# Altium PCB 202101904XB(公开).PcbDoc (part 2 of 6) (continued)
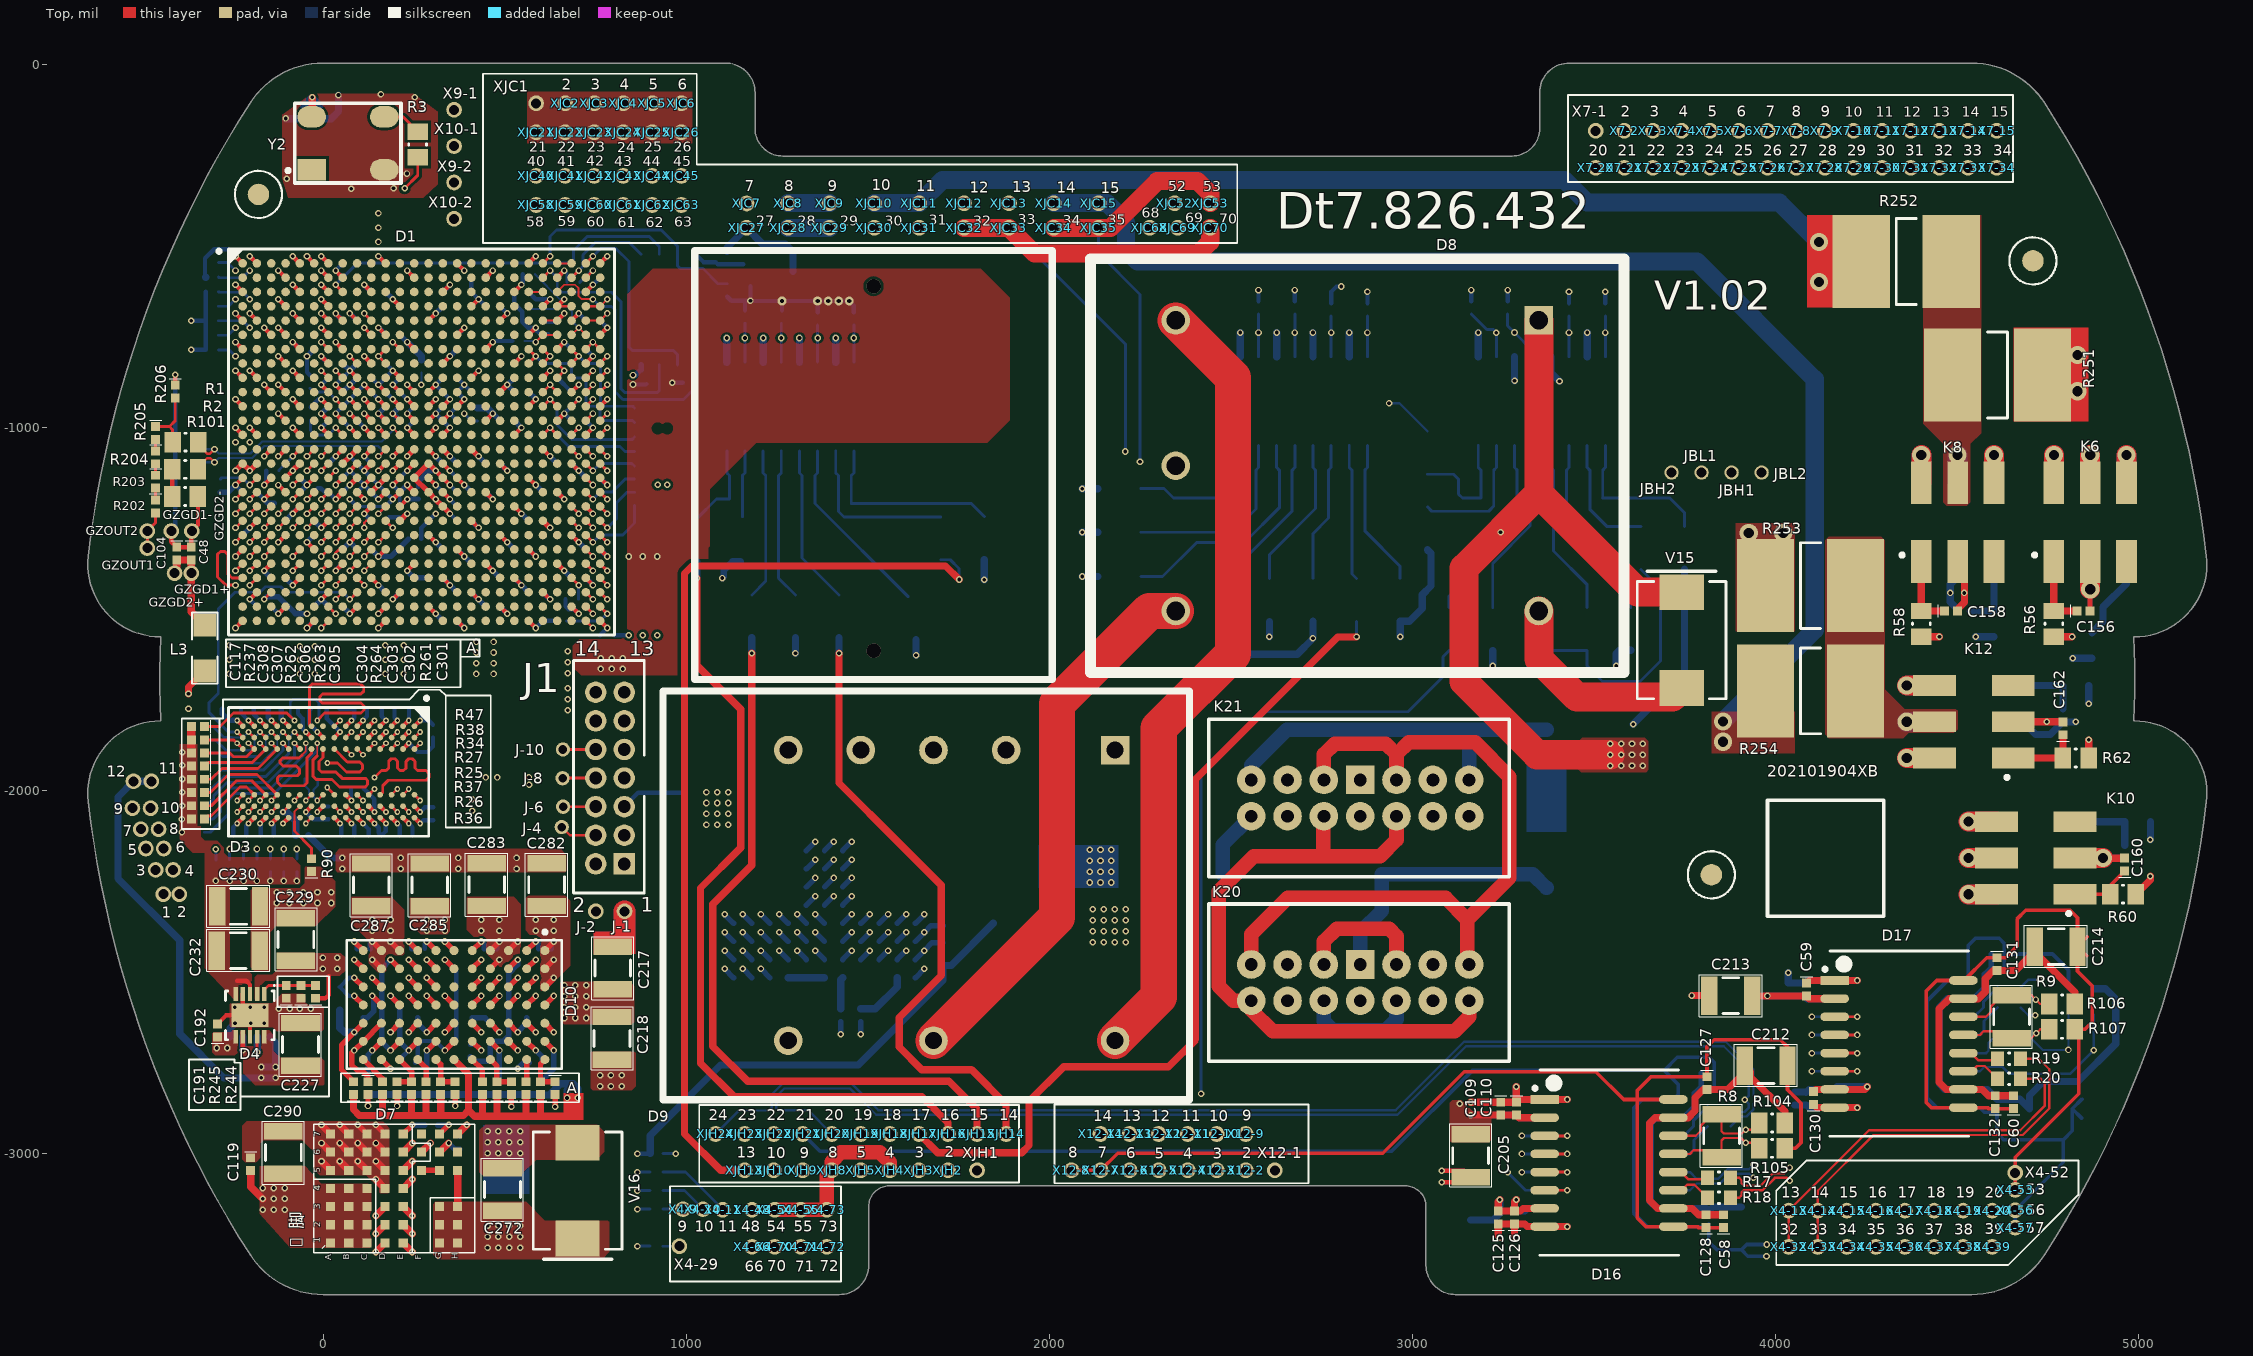
[diagram p0: Top view]
## Part data
C1 C2 C3 C4 C5 C6 C7 C8 C9 C10 C11 C12 C13 C14 C15 C16 C17 C18 C19 C20 C21 C22 C23 C24 C25 C26 C27 C28 C29 C30 C31 C32 C33 C34 C35 C36 C37 C38 C39 C40 C41 C42 C43 C44 C45 C46 C47 C48 C49 C50 C51 C52 C53 C54 C55 C56 C57 C58 C59 C60 C65 C66 C67 C68 C69: library part "HJ CT41G-0402-X7R-25V-103-KNT"
C70 C71 C72 C73 C74 C75 C76 C77 C78 C79 C80 C81 C82 C83 C84 C85 C86 C87 C88 C89 C90 C91 C92 C93 C94 C95 C96 C97 C98 C99 C100 C101 C102 C103 C104 C105 C106 C107 C108 C109 C110 C111 C112 C113 C114 C115 C116 C117 C118 C119 C120 C121 C122 C123 C125 C126 C127 C128 C129 C130 C131 C132 C141 C142 C143 C144 C145 C146 C147 C148 C155 C156 C157 C158 C159 C160 C161 C162 C167 C168 C169 C170 C171 C172 C173 C174 C175 C176 C177 C178 C179 C180 C181 C182 C183 C184 C185 C186 C187 C188 C189 C190 C191 C192 C193: library part "HJ CT41G-0402-X7R-25V-104-KNT"
C201 C202 C203 C204 C205 C206 C207 C208 C211 C212 C213 C214 C217 C218 C219 C220 C221 C222 C223 C224 C225 C226 C227 C228 C229 C230 C231 C232: library part "HJ CT41G-1210-X7R-25V-106-MNT"
C271 C272 C273: library part CT41G-1210-X7R-50V-10uF-M
C281 C282 C283 C284 C285 C286 C287 C288 C289 C290: library part CT41G-1210-X5R-10V-100uF-M
C301 C302 C303 C304 C305 C306 C307 C308 C309: library part "HJ CT41G-0402-X7R-25V-102-KNT"
C401 C402 C403: library part "HJ CT41G-0603-X7R-50V-104-KNT"
D1: "Kintex-7"
D2 D4: library part S
D3: library part SM
D14 D15 D16 D17: "Isolated 485/422 T"
J1: library part JTAG-14
L1 L2 L3: "PB3"
L7: "磁?"
R1 R2: library part RMK2012
R3: library part RMK2012-K-B-330-F
R5 R6: library part RMK3225-K-B-510-F
R7 R8 R9: library part RMK3225-K-B-131-F
R12 R13 R14 R15 R16 R17 R18 R19 R20: library part RMK1608-M-B-5R1-F
R25 R26 R27 R28 R29 R30 R31 R32 R33 R34 R35 R36 R37 R38 R39 R40 R41 R42 R43 R44 R45 R46 R47 R48 R50 R51 R52 R53 R54: library part RMK1005-E-B-2430-B, "7"
R55 R56 R57 R58 R59 R60 R61 R62: library part RMK2012-M-B-201-F
R78 R79 R80 R81 R82 R83 R84 R85 R86 R87 R88 R89 R90: library part RMK1005-K-B-2430-F
R101 R102 R103 R104 R105 R106 R107: library part RMK2012-K-B-821-F
R138 R139 R140 R141 R142 R261 R262 R267 R268: library part RMK1005
R146 R147 R148 R149 R150 R151 R152 R153 R154 R155 R156 R157: library part RMK1005-K-B-1961-F
R161 R162 R163 R164 R165 R166 R167 R168 R169 R170 R171 R172 R174 R175 R176 R177 R178 R179 R180 R181 R182 R183 R184 R185: library part RMK3225
R200 R201 R202 R203 R204 R205 R206 R208 R209 R210 R211 R212 R213 R214 R215 R216 R217 R218 R219 R220 R221 R222 R223 R224 R225: library part RMK1005-K-B-102-F
R227 R228 R229 R230 R231 R232 R233 R234 R235 R236 R237 R238 R239 R240 R241 R242 R243: library part RMK1005-K-B-472-F
R244 R245: library part RMK1005-K-B-103-F
R251 R252 R253 R254: library part RM6363
R263: library part RMK1005-K-B-3012-F
R264 R265 R266: library part RMK1005-K-B-1332-F
R269: library part RMK1005, "718厂,电阻"
Y2: library part ZPB-26(Z

## Free pads (board coordinates)
  round 59.06 smd mask+39.37: 1(-178,-359) 1(3822.58,-2232.5) 1(4708,-542)
  round 59.06 smd far side mask+39.37: 1(-178,-359) 1(3822.58,-2232.5) 1(4708,-542)

## Via types
v1: diameter 18, hole 10, Top to Bottom, tented both sides, 880 vias
v2: diameter 16, hole 8, Top to Bottom, tented both sides, 91 vias
v3: diameter 50, hole 28, Top to Bottom, tented both sides, 22 vias
v4: diameter 24, hole 12, Top to Bottom, tented both sides, 5 vias
v5: diameter 40, hole 40, Top to Bottom, 2 vias

## Nets (pads, with @x,y where several pads share a name; then routed paths per layer and width w, separated by ;. In a path a pad name is that pad's centre, name@x,y a point inside that pad or via, vN(x,y) a via of type N, cw(c..) or ccw(c..) an arc to the next point about the centre after c; other vN are vias at no path point)
"1.0V GD": D10.C3 D10.K7 R234.2 | length 730.7
  Top w15: D10.K7@160.58,-2741.14 v1(185.58,-2766.14) ; D10.C3@510.58,-2541.14 v1(535.58,-2516.14)
  sig_03 w15: v1(535.58,-2766.14) 510.64,-2741.21 510.64,-2541.08 v1(535.58,-2516.14)
  sig_08 w15: v1(185.58,-2766.14) v1(535.58,-2766.14)
  Bottom w15: v1(535.58,-2766.14) 551.72,-2750 R234.2@568.21,-2750
"1.5V GD": D10.J2 D10.J6 R237.2 | length 553.3
  Top w15: v1@123.64,-2870 R237.2@123.64,-2837.72 ; v1(185.58,-2716.14) D10.J6@210.58,-2691.14 ; v1(185.58,-2466.14) D10.J2@210.58,-2491.14
  sig_03 w15: v1@123.64,-2871 123.64,-2778.08 v1(185.58,-2716.14)
  Bottom w15: v1(185.58,-2716.14) 161.64,-2692.2 161.64,-2490.08 v1(185.58,-2466.14)
  other v1: 123.64,-2869
"1.8V GD": D10.F2 D10.F6 R236.2 | length 488.1
  Top w15: v1(335.58,-2716.14) D10.F6@360.58,-2691.14 ; v1(335.58,-2466.14) D10.F2@360.58,-2491.14
  Bottom w12: R236.2@253.64,-2750 260.64,-2743 260.64,-2702 272.64,-2690 309.43,-2690 v1(335.58,-2716.14) 366.64,-2685.08 366.64,-2497.21 v1(335.58,-2466.14)
"3.3V GD": D10.C2 R235.2 | length 420.3
  Top w15: D10.C2@510.58,-2491.14 v1(535.58,-2466.14)
  Bottom w8: R235.2@400.15,-2738.42 R235.2@404.9,-2733.67
  Bottom w15: R235.2@404.9,-2733.67 417.22,-2746 450.64,-2746 459.64,-2737 459.64,-2706 474.64,-2691 495.64,-2691 510.64,-2676 510.64,-2505 535.58,-2480.07 v1(535.58,-2466.14)
+1.0V: C6.1 C7.1 C8.1 C9.1 C10.1 C11.1 C12.1 C13.1 C14.1 C15.1 C70.2 C71.2 C72.2 C73.2 C74.2 C75.2 C76.2 C77.2 C78.2 C79.2 C80.2 C121.2 C224.2 C281.2 C282.2 C301.2 D1.J9 D1.K8 D1.K10 D1.K12 D1.K14 D1.L9 D1.L13 D1.L15 D1.M8 D1.M14 D1.N9 D1.N13 D1.N15 D1.P14 D1.R13 D1.R15 D1.T12 D1.T14 D1.U13 D1.U15 D10.A1 D10.A2 D10.A3 | length 1998.2
  Top w12: v1(34.37,-962.4) D1.M8@54.05,-982.08 ; v1(34.37,-883.66) D1.K8@54.05,-903.34 ; v1(73.74,-1001.77) D1.N9@93.42,-1021.45 ; v1(73.74,-923.03) D1.L9@93.42,-942.71 ; v1(73.74,-844.29) D1.J9@93.42,-863.97 ; v1(113.11,-883.66) D1.K10@132.79,-903.34 ; v1(191.85,-1159.24) D1.T12@211.53,-1139.57 ; v1(191.85,-883.66) D1.K12@211.53,-903.34 ; v1(231.22,-1119.87) D1.R13@250.9,-1100.2 ; v1(231.22,-1001.77) D1.N13@250.9,-1021.45 ; v1(231.22,-923.03) D1.L13@250.9,-942.71 ; D1.T14@290.27,-1139.57 v1(309.95,-1159.24) ; D1.P14@290.27,-1060.83 v1(309.95,-1080.5) ; D1.M14@290.27,-982.08 v1(309.95,-962.4) ; D1.K14@290.27,-903.34 v1(309.95,-883.66) ; D1.U15@329.64,-1178.94 v1(349.32,-1198.61) ; D1.R15@329.64,-1100.2 v1(349.32,-1119.87) ; D1.N15@329.64,-1021.45 v1(349.32,-1001.77) ; D1.L15@329.64,-942.71 v1(349.32,-923.03)
  Top w15: v1(231.22,-1159.24) D1.U13@250.9,-1178.94 ; D10.A3@610.58,-2541.14 v1(635.58,-2516.14) ; D10.A2@610.58,-2491.14 v1(635.58,-2466.14) ; D10.A1@610.58,-2441.14 v1(635.58,-2416.14) ; v1(638.64,-2871) C301.2@638.64,-2837.72
  sig_03 w15: v1(635.58,-2516.14) 610.64,-2541.08 610.64,-2843 v1(638.64,-2871)
  Bottom w10: C15.1@211.54,-1218.3 C14.1@211.54,-1178.93
  Bottom w12: v1(34.37,-883.66) C75.2@54.05,-863.97 ; C75.2@54.05,-863.97 v1(73.74,-844.29) ; v1(73.74,-1001.77) v1(34.37,-962.4) C76.2@54.05,-942.71 v1(73.74,-923.03) ; C74.2@93.43,-942.71 v1(73.74,-923.03) ; v1(113.11,-883.66) C79.2@93.42,-903.35 v1(73.74,-923.03) ; C14.1@211.54,-1178.93 v1(191.85,-1159.24) v1(231.22,-1119.87) ; C77.2@211.53,-863.97 v1(191.85,-883.66) v1(231.22,-923.03) ; v1(231.22,-1001.77) C78.2@250.9,-982.08 ; v1(309.95,-1159.24) v1(349.32,-1198.61) C7.1@369.02,-1218.3 ; C72.2@329.65,-863.97 v1(309.95,-883.66) C13.1@329.64,-903.34 v1(349.32,-923.03) v1(309.95,-962.4) C70.2@329.65,-982.08 v1(349.32,-1001.77) ; v1(349.32,-1119.87) C8.1@369.03,-1139.56
  Bottom w15: C71.2@54.05,-824.6 v1(73.74,-844.29) C80.2@93.42,-824.61 ; C14.1@211.54,-1178.93 v1(231.22,-1159.24) ; v1(309.95,-1080.5) C10.1@329.64,-1100.19 ; C121.2@628.58,-2436.14 628.58,-2423.14 v1(635.58,-2416.14)
  other v1: 585.58,-2386.14 635.58,-2386.14 585.58,-2356.14 635.58,-2356.14 421.33,-1679.42 421.33,-1650.42 421.33,-1620.42 421.33,-1591.42
+1.5V: C2.1 C3.1 C4.1 C5.1 C16.1 C17.1 C18.1 C19.1 C20.1 C21.1 C65.2 C66.2 C67.2 C68.2 C170.2 C172.2 C173.2 C174.2 C175.2 C176.2 C177.2 C182.2 C183.2 C184.2 C185.2 C186.2 C187.2 C188.2 C189.2 C202.2 C225.2 C226.2 C228.1 C229.1 C287.2 C288.2 C307.1 D1.AA1 D1.AA11 D1.AB8 D1.AC5 D1.AD2 D1.AD12 D1.AE9 D1.AF6 D1.U3 D1.V10 D1.W7 D1.Y4 D3.A1 D3.A8 D3.B2 D3.C1 D3.C9 D3.D2 D3.D9 D3.E9 D3.F1 D3.G7 D3.H2 D3.H9 D3.K2 D3.K8 D3.N1 D3.N9 D3.R1 D3.R9 D4.2 D10.J1 D10.K1 D10.K2 R51.1 R52.1 R244.1 | length 2559.6
  Top w12: v1(-241.22,-1356.09) D1.AA1@-221.54,-1336.42 ; v2(-205.12,-2090.85) D3.R9@-189.37,-2075.11 ; v2(-205.12,-1807.41) D3.R1@-189.38,-1823.15 ; v1(-201.85,-1474.2) D1.AD2@-182.17,-1454.53 ; v1(-162.48,-1198.61) D1.U3@-142.8,-1178.94 ; v2(-142.12,-2090.85) D3.N9@-126.38,-2075.11 ; v2(-142.12,-1807.41) D3.N1@-126.38,-1823.15 ; v1(-123.11,-1316.72) D1.Y4@-103.43,-1297.05 ; v1(-83.74,-1434.83) D1.AC5@-64.06,-1415.16 ; v2(-47.64,-2059.36) D3.K8@-31.89,-2043.62 ; v2(-47.64,-1838.9) D3.K2@-31.89,-1854.64 ; v1(-44.37,-1552.94) D1.AF6@-24.69,-1533.27 ; R244.1@-21.34,-2572.4 6.35,-2572.4 15.33,-2563.42 15.33,-2511.42 ; v1(-5,-1277.35) D1.W7@14.68,-1257.68 ; D3.H9@31.1,-2075.11 v2(46.84,-2090.85) ; D3.H2@31.1,-1854.64 v2(46.84,-1838.9) ; v1(34.37,-1395.46) D1.AB8@54.05,-1375.79 ; D3.G7@62.6,-2012.12 v2(78.33,-2027.86) ; v1(73.74,-1513.57) D1.AE9@93.42,-1493.9 ; D3.F1@94.09,-1823.15 v2(109.83,-1807.41) ; v1(113.11,-1237.98) D1.V10@132.79,-1218.31 ; D3.E9@125.58,-2075.11 v2(141.32,-2090.85) ; v1(152.48,-1356.09) D1.AA11@172.16,-1336.42 ; D3.D9@157.09,-2075.11 v2(172.82,-2090.85) ; D3.D2@157.09,-1854.64 v2(172.82,-1838.9) ; D3.C9@188.58,-2075.11 v2(204.32,-2090.85) ; D3.C1@188.58,-1823.15 v2(204.32,-1807.41) ; v1(191.85,-1474.2) D1.AD12@211.53,-1454.53 ; D3.B2@220.08,-1854.64 v2(235.81,-1838.9) ; D3.A8@251.57,-2043.62 v2(267.31,-2059.36) ; D3.A1@251.57,-1823.15 v2(267.31,-1807.41)
  Top w15: v1(135.58,-2466.14) D10.K2@160.58,-2491.14 ; v1(135.58,-2416.14) D10.K1@160.58,-2441.14 ; v1(185.58,-2416.14) D10.J1@210.58,-2441.14 ; v1(203.64,-2869) C307.1@203.64,-2837.72
  sig_03 w15: 192.64,-2515 209.64,-2532 209.64,-2865 v1@203.64,-2871
  Bottom w12: v1(-241.22,-1356.09) C177.2@-221.54,-1336.42 ; C2.1@-226.13,-1776.14 -226.13,-1786.4 v2(-205.12,-1807.41) ; C182.2@-211.52,-2124.14 -211.52,-2097.25 v2(-205.12,-2090.85) ; v1(-201.85,-1474.2) C175.2@-182.17,-1493.89 ; C174.2@-182.16,-1178.93 v1(-162.48,-1198.61) ; v2(-142.12,-2090.85) -136.09,-2096.88 C183.2@-136.09,-2124.14 ; v2(-142.12,-1807.41) v2@-140.7,-1805.99 ; v1(-123.11,-1316.72) C173.2@-103.43,-1297.05 ; C186.2@-69.27,-1776.14 -69.27,-1789.08 -56.36,-1802 -56.36,-1830.19 v2(-47.64,-1838.9) ; v2(-47.64,-2059.36) -27.19,-2079.81 C65.2@15.05,-2079.81 ; C185.2@10.17,-1776.14 10.16,-1802.22 v2(46.84,-1838.9) ; v2(46.84,-2090.85) 49.91,-2093.92 C66.2@49.91,-2124.14 ; C67.2@76.9,-1995.67 76.9,-2026.43 v2(78.33,-2027.86) ; v2(109.83,-1807.41) 121.04,-1796.2 C184.2@121.04,-1776.14 ; v1(113.11,-1237.98) C16.1@132.8,-1257.67 ; v2(141.32,-2090.85) 153.33,-2102.86 153.33,-2116.7 C5.1@160.77,-2124.14 172.82,-2112.09 v2(172.82,-2090.85) ; C189.2@196.48,-1776.14 196.48,-1799.57 v2(204.32,-1807.41) ; v2(204.32,-2090.85) 210.77,-2097.3 C4.1@210.77,-2124.14 ; v2(267.31,-2059.36) 280.25,-2046.42 C187.2@303.58,-2046.42 ; C188.2@271.91,-1776.14 271.9,-1802.82 v2(267.31,-1807.41) 290.95,-1807.41 C68.2@302.61,-1819.07
  Bottom w15: v1(-162.48,-1198.61) -151.57,-1209.53 R52.1@-133.88,-1209.53 ; C3.1@-150.7,-1776.14 -150.7,-1798.83 v2(-142.12,-1807.41) ; C176.2@-103.42,-1415.15 v1(-83.74,-1434.83) ; v1(-44.37,-1552.94) C17.1@-24.69,-1533.26 ; C172.2@-24.69,-1257.67 v1(-5,-1277.35) ; v1(34.37,-1395.46) C21.1@54.05,-1375.78 ; C18.1@54.05,-1493.89 v1(73.74,-1513.57) ; C170.2@129.58,-2436.14 129.58,-2422.14 v1(135.58,-2416.14) ; C20.1@132.79,-1336.41 v1(152.48,-1356.09) 186.83,-1356.09 R51.1@234.93,-1308 ; v1(191.85,-1474.2) C19.1@211.53,-1454.52
  other v1: -0.42,-2491.14 38.58,-2491.14 -0.42,-2461.14 38.58,-2461.14 135.58,-2386.14 185.58,-2386.14 135.58,-2356.14 185.58,-2356.14 -64.15,-1679.49 170.79,-1679.49 -64.15,-1640.12 170.79,-1640.12 -64.15,-1603.75 170.79,-1600.75 -241.22,-1041.14 -201.85,-1041.14
+1.8V: C22.1 C23.1 C24.1 C25.1 C26.1 C27.1 C28.1 C47.2 C81.2 C82.2 C83.2 C84.2 C103.1 C168.2 C178.2 C179.2 C180.2 C201.2 C204.2 C285.2 C286.2 C305.1 D1.AB18 D1.AC15 D1.AE19 D1.AF16 D1.L11 D1.M10 D1.P8 D1.P10 D1.R9 D1.T8 D1.T10 D1.U11 D1.W17 D1.Y14 D10.F1 D10.G1 D10.G2 L2.2 | length 1496.8
  Top w12: v1(34.37,-1159.24) D1.T8@54.05,-1139.57 ; v1(34.37,-1080.5) D1.P8@54.05,-1060.83 ; v1(73.74,-1119.87) D1.R9@93.42,-1100.2 ; v1(113.11,-1159.24) D1.T10@132.79,-1139.57 ; v1(113.11,-1080.5) D1.P10@132.79,-1060.83 ; v1(113.11,-962.4) D1.M10@132.79,-982.08 ; v1(152.48,-1198.61) D1.U11@172.16,-1178.94 ; v1(152.48,-923.03) D1.L11@172.16,-942.71 ; D1.Y14@290.27,-1297.05 v1(309.95,-1316.72) ; D1.AC15@329.64,-1415.16 v1(349.32,-1434.83) ; D1.AF16@369.01,-1533.27 v1(388.69,-1552.94) ; D1.W17@408.38,-1257.68 v1(428.06,-1277.35) ; D1.AB18@447.75,-1375.79 v1(467.43,-1395.46) ; D1.AE19@487.12,-1493.9 v1(506.8,-1513.57)
  Top w15: v1(285.58,-2466.14) D10.G2@310.58,-2491.14 ; v1(285.58,-2416.14) D10.G1@310.58,-2441.14 ; v1(335.58,-2416.14) D10.F1@360.58,-2441.14 ; v1(363.64,-2869) C305.1@363.64,-2837.72
  sig_03 w15: 309.64,-2475 309.64,-2817 v1@363.64,-2871
  Bottom w12: v1(34.37,-1159.24) v1(73.74,-1119.87) C24.1@93.42,-1139.56 v1(113.11,-1159.24) ; C82.2@93.42,-1178.94 v1(113.11,-1159.24) ; v1(113.11,-1080.5) C23.1@132.8,-1100.19 ; v1(113.11,-962.4) C47.2@132.8,-982.08 ; C103.1@132.79,-903.35 v1(152.48,-923.03) ; v1(152.48,-1198.61) C81.2@132.79,-1178.94 v1@113.11,-1159.25 ; C168.2@279.58,-2436.14 279.58,-2422.14 v1(285.58,-2416.14)
  Bottom w15: C22.1@14.68,-1100.2 v1(34.37,-1080.5) ; v1(309.95,-1316.72) C84.2@329.65,-1336.41 ; C27.1@329.64,-1415.15 v1(349.32,-1434.83) C26.1@369.01,-1454.52 ; C25.1@369.02,-1533.27 v1(388.69,-1552.94) ; C28.1@408.38,-1257.67 v1(428.06,-1277.35) ; C180.2@447.75,-1375.78 v1(467.43,-1395.46) C179.2@487.12,-1415.15 ; C178.2@487.12,-1493.89 v1(506.8,-1513.57)
  other v1: 285.58,-2386.14 335.58,-2386.14 285.58,-2356.14 335.58,-2356.14 469.33,-1679.42 469.33,-1650.42 469.33,-1620.42 469.33,-1591.42
+3.3V: 11.1 12.1 C1.1 C29.1 C30.1 C31.1 C32.1 C33.1 C34.1 C35.1 C36.1 C37.1 C38.1 C39.1 C40.1 C41.1 C42.1 C43.1 C44.1 C45.1 C53.2 C55.2 C57.2 C59.2 C85.2 C86.2 C87.2 C88.2 C89.2 C90.2 C91.2 C92.2 C93.2 C94.2 C95.2 C96.2 C97.2 C98.2 C99.2 C100.2 C101.2 C109.2 C110.2 C113.2 C114.2 C123.2 C125.2 C126.2 C129.2 C130.2 C171.2 C181.2 C190.2 C205.2 C207.2 C211.2 C213.2 C221.2 C222.2 C223.2 C227.2 C283.2 C284.2 C303.1 D1.A11 D1.A21 D1.AA21 D1.AC25 D1.AD22 D1.AF26 D1.B8 D1.B18 D1.C15 D1.C25 D1.D12 D1.D22 D1.E9 D1.E19 D1.F16 D1.F26 D1.G13 D1.G23 D1.H10 D1.H20 D1.J17 D1.K24 D1.L7 D1.L21 D1.M18 D1.N25 D1.P22 D1.R19 D1.T6 D1.T16 D1.T26 D1.U23 D1.V20 D1.Y24 D2.8 D4.7 D4.10 D10.C1 D10.D1 D10.D2 D14.2 D14.7 D15.2 D15.7 D16.2 D16.7 D17.2 D17.7 J1.2 J-2.1 R57.2 R58.1 R61.2 R62.1 R146.2 R147.2 R148.2 R149.2 R150.2 R151.2 R152.2 R153.2 R154.2 R155.2 R156.2 R157.2 R227.1 R228.1 R229.1 R230.1 R231.1 R232.1 R233.2 R238.2 R239.2 R240.2 R241.2 R242.2 R243.2 Y2.4 | length 7931.6
  Top w12: v1(-221.03,-2715.42) D4.7@-221.02,-2678.74 ; v1(-44.37,-1159.24) D1.T6@-24.69,-1139.57 ; v1(-5,-923.03) D1.L7@14.68,-942.71 ; v1(34.37,-568.7) D1.B8@54.05,-588.38 ; v1(73.74,-686.81) D1.E9@93.42,-706.49 ; v1(113.11,-804.92) D1.H10@132.79,-824.6 ; v1(152.48,-529.33) D1.A11@172.16,-549.01 ; v1(191.85,-647.44) D1.D12@211.53,-667.12 ; v1(231.22,-765.55) D1.G13@250.9,-785.23 ; D1.C15@329.64,-627.75 v1(349.32,-608.07) ; D1.T16@369.01,-1139.57 v1(388.69,-1159.24) ; D1.F16@369.01,-745.86 v1(388.69,-726.18) ; D1.J17@408.38,-863.97 v1(428.06,-844.29) ; D1.M18@447.75,-982.08 v1(467.43,-962.4) ; D1.B18@447.75,-588.38 v1(467.43,-568.7) ; D1.R19@487.12,-1100.2 v1(506.8,-1119.87) ; D1.E19@487.12,-706.49 v1(506.8,-686.81) ; D1.V20@526.49,-1218.31 v1(546.17,-1237.98) ; D1.H20@526.49,-824.6 v1(546.17,-804.92) ; D1.AA21@565.86,-1336.42 v1(585.54,-1356.09) ; D1.L21@565.86,-942.71 v1(585.54,-923.03) ; D1.A21@565.86,-549.01 v1(585.54,-529.33) ; D1.AD22@605.23,-1454.53 v1(624.91,-1474.2) ; D1.P22@605.23,-1060.83 v1(624.91,-1080.5) ; D1.D22@605.23,-667.12 v1(624.91,-647.44) ; D1.U23@644.6,-1178.94 v1(664.28,-1198.61) ; D1.G23@644.6,-785.23 v1(664.28,-765.55) ; D1.Y24@683.97,-1297.05 v1(703.65,-1316.72) ; D1.K24@683.97,-903.34 v1(703.65,-883.66) ; D1.AC25@723.34,-1415.16 v1(743.02,-1434.83) ; D1.N25@723.34,-1021.45 v1(743.02,-1001.77) ; D1.C25@723.34,-627.75 v1(743.02,-608.07) ; D1.AF26@762.71,-1533.27 v1(782.39,-1552.94) ; D1.T26@762.71,-1139.57 v1(782.39,-1159.24) ; D1.F26@762.71,-745.86 v1(782.39,-726.18)
  Top w15: D10.D2@460.58,-2491.14 v1(485.58,-2466.14) ; D10.D1@460.58,-2441.14 v1(485.58,-2416.14) ; D10.C1@510.58,-2441.14 v1(535.58,-2416.14) ; v1(518.64,-2871) C303.1@518.64,-2837.72
  Top w20: Y2.4@-31.42,-145.47 -30,-144.05 v1(-30,-92) ; v1(3160.33,-2894.14) C109.2@3242.58,-2894.14 3242.86,-2893.86 C110.2@3285.59,-2893.86 3292.88,-2901.14 D16.2@3363.42,-2901.14 ; v1(3240.33,-3127.42) 3235.59,-3132.16 C125.2@3235.59,-3158.42 C126.2@3280.59,-3158.42 ; v1(3285.33,-3127.42) 3280.59,-3132.16 C126.2@3280.59,-3158.42 ; D16.7@3363.42,-3151.14 3303.61,-3151.14 3296.33,-3158.42 C126.2@3280.59,-3158.42 ; C213.2@3936.22,-2566.16 v1(3977,-2566.16) C59.2@4084.16,-2566.17 4091.45,-2573.45 D17.2@4161.99,-2573.45 ; C130.2@4104,-2829.28 4109.83,-2823.45 D17.7@4162,-2823.45 4244.55,-2823.45 v1(4251.72,-2816.28) ; R58.1@4400.58,-1577 v1(4450.58,-1577) ; R62.1@4861.46,-1911.14 v1(4861.45,-1861.14)
  sig_03 w15: v1(485.58,-2466.14) 485.58,-2480.93 459.64,-2506.87 459.64,-2812 v1(518.64,-2871)
  sig_05 w20: v1(4450.58,-1577) v1(4550.58,-1577) 4677.31,-1577 v1(4861.45,-1761.14) v1(4861.45,-1861.14)
  Bottom w12: v1(-363.36,-786.96) R238.2@-323.09,-786.96 ; v1(-363.3,-706.96) R242.2@-323.03,-706.96 ; R238.2@-323.06,-786.93 R241.2@-323.06,-746.96 ; R241.2@-323.03,-746.93 R242.2@-323.03,-706.96 ; R239.2@-323,-666.96 R242.2@-323,-706.93 ; R239.2@-322.97,-666.93 R240.2@-322.97,-626.96 ; v1@-44.37,-1160.72 v1(-44.37,-1159.24) ; v1(-44.37,-804.92) -44.37,-848.79 R228.1@-35.92,-857.24 ; R227.1@-34.73,-945.24 -12.52,-923.03 v1(-5,-923.03) ; v1(34.37,-568.7) C42.1@54.05,-549.01 ; v1(113.11,-804.92) C39.1@132.8,-824.6 ; C92.2@408.38,-863.98 v1(428.06,-844.29) ; C38.1@447.75,-588.38 v1(467.43,-568.7) ; C43.1@487.12,-667.12 v1(506.8,-686.81) ; C37.1@526.49,-824.61 v1(546.17,-804.92) ; C30.1@565.86,-627.75 585.55,-647.44 v1(624.91,-647.44) ; C36.1@644.6,-863.97 C86.2@683.97,-903.35 v1(703.65,-883.66) ; v1(664.28,-765.55) C32.1@683.98,-785.23 ; C35.1@723.34,-982.08 v1(743.02,-1001.77) ; v1(743.02,-608.07) C31.1@762.71,-588.38 ; C97.2@762.72,-1572.63 v1(782.39,-1552.94) ; C29.1@762.71,-706.49 v1(782.39,-726.18) ; v1(853.33,-882.42) 888.87,-882.42 R232.1@890.16,-881.14 ; v1(961,-878) R231.1@990,-878 ; D2.8@1025.58,-523.78 1047.22,-545.42 1080.8,-545.42 1087.08,-551.7 C171.2@1116.61,-551.7 ; C171.2@1112.08,-551.71 C221.2@1156.71,-551.71 ; R233.2@1112.58,-640.57 1124.02,-652 v1(1176.64,-652) C221.2@1176.64,-611.74 ; R149.2@1161.58,-678.31 1161.58,-652.58 ; v1@1177.07,-652.43 v4(1263.64,-652.43) ; R148.2@1263.64,-678.32 v4(1263.64,-652.43) ; R147.2@1361.58,-683.31 v4(1361.58,-652.43) ; R146.2@1461.58,-683.31 1461.58,-665.58 v4(1448.43,-652.43) v4(1361.58,-652.43) ; R153.2@2575.58,-653.3 v1(2575.58,-622.42) ; R152.2@2675.58,-653.3 v1(2675.58,-622.42) ; R151.2@2775.58,-658.3 2775.58,-627.42 2790.33,-612.67 v1(2803.85,-612.67) ; R150.2@2875.58,-658.3 v1(2875.58,-627.42) ; R157.2@3161.58,-653.3 v1(3161.58,-622.42) ; R156.2@3261.58,-653.3 v1(3261.58,-622.42) ; R155.2@3430.58,-658.3 v1(3430.58,-627.42) ; R154.2@3530.58,-658.3 v1(3530.58,-627.42) ; v4(1263.64,-652.43) v4(1361.58,-652.43)
  Bottom w15: C88.2@-64.06,-1178.94 v1(-44.37,-1159.24) C87.2@-64.06,-1139.57 ; v1(-44.37,-804.92) C85.2@-24.69,-785.23 ; v1(73.74,-686.81) C40.1@93.42,-706.49 ; C41.1@172.16,-627.75 v1(191.85,-647.44) ; C44.1@211.53,-745.86 v1(231.22,-765.55) ; C45.1@329.64,-627.76 v1(349.32,-608.07) ; C91.2@369.01,-745.87 v1(388.69,-726.18) ; v1(388.69,-1159.24) C98.2@408.38,-1178.93 ; v1(467.43,-962.4) C89.2@487.13,-982.08 ; C123.2@478.58,-2436.14 478.58,-2423.14 v1(485.58,-2416.14) ; C101.2@487.12,-1100.19 v1(506.8,-1119.87) ; v1(546.17,-1237.98) C94.2@565.87,-1257.67 ; C95.2@565.86,-1336.41 v1(585.54,-1356.09) ; C90.2@565.86,-903.35 v1(585.54,-923.03) ; C33.1@605.24,-1454.52 v1(624.91,-1474.2) ; v1(624.91,-1080.5) C99.2@644.61,-1100.19 ; C93.2@644.6,-1178.93 v1(664.28,-1198.61) ; v1(703.65,-1316.72) C34.1@723.34,-1336.41 ; C96.2@723.34,-1415.15 v1(743.02,-1434.83) ; C100.2@762.71,-1139.56 v1(782.39,-1159.24)
  Bottom w20: 11.1@-473,-1975 12.1@-522,-1975 -565,-2018 -565,-2243 -395,-2413 -395,-2670 -273.3,-2791.7 v1(-169.92,-2791.7) v1(-130.92,-2791.7) ; v1(-221.03,-2715.42) C190.2@-221.03,-2678.74 ; v1(-169.92,-2761.7) v1(-130.92,-2761.7) -130.92,-2694.05 R243.2@-146.22,-2678.74 ; C1.1@-53.42,-115.13 -31.42,-93.14 C181.2@-9.42,-115.13 ; v1(231.22,-765.55) 270.64,-804.98 R230.1@270.64,-814.28 ; R229.1@424.64,-947.28 452.31,-947.28 v1(467.43,-962.4) ; C211.2@3159.61,-3182.78 3221.97,-3182.78 3240.33,-3164.42 v1(3240.33,-3127.42) ; v1(3160.33,-2894.14) 3160.61,-2893.86 C57.2@3285.59,-2893.86 3292.88,-2901.14 D14.7@3363.42,-2901.14 ; v1(3285.33,-3127.42) 3280.59,-3132.16 C53.2@3280.59,-3158.41 3309.33,-3158.42 3316.61,-3151.14 D14.2@3363.42,-3151.14 ; C207.2@3935.16,-2566.16 v1(3977,-2566.16) C114.2@4079.16,-2566.17 4086.45,-2573.45 D15.7@4161.99,-2573.45 ; C129.2@4052,-2830.73 C55.2@4084.16,-2830.73 ; C55.2@4083.1,-2831.79 C55.2@4084.16,-2830.73 ; v1(4251.72,-2816.28) 4169.16,-2816.28 4161.99,-2823.45 4091.44,-2823.45 C55.2@4084.16,-2830.73 ; v1(4550.58,-1577) R57.2@4600.58,-1577 ; v1(4861.45,-1761.14) R61.2@4861.46,-1711.14
  other v1: 3129.64,-2863 435.58,-2386.14 485.58,-2386.14 435.58,-2356.14 485.58,-2356.14 764.58,-1665.74 794.58,-1665.74 824.58,-1665.74 764.58,-1635.74 794.58,-1635.74 824.58,-1635.74 841.13,-1356.09 880.5,-1356.09 919.87,-1356.09 152.48,-489.96 152.48,-450.59 152.48,-411.22
  other v4: 1390.53,-652.43 1419.48,-652.43
+3.3V-CL: C60.2 C131.2 C132.2 C214.2 D17.10 D17.15 R106.2 | length 975.7
  Top w20: C60.2@4654.16,-2840.73 C132.2@4604.16,-2840.73 4585.64,-2840.73 4568.36,-2823.45 4516.32,-2823.45 4469.33,-2823.45 4449.33,-2803.45 4449.33,-2601.42 4477.3,-2573.45 4516.32,-2573.45 4557.3,-2573.45 4576.33,-2554.42 4576.33,-2518.42 4598.59,-2496.16 C131.2@4609.16,-2496.17 4660.59,-2496.16 C214.2@4712.58,-2444.17 ; C214.2@4712.58,-2430.14 C214.2@4712.58,-2444.17 ; R106.2@4823.62,-2588.05 4823.62,-2556.19 4712.58,-2445.15 C214.2@4712.58,-2444.17
+3.3V-KZ: C54.2 C111.2 C112.2 C206.2 D14.10 D14.15 | length 723.8
  Bottom w15: D14.10@3717.75,-2901.14 3745.12,-2901.14 3775.87,-2870.39 3775.87,-2834.39 3794.12,-2816.14 C112.2@3795.15,-2816.14 C54.2@3795.15,-2778.39
  Bottom w20: D14.10@3717.75,-2901.14 3668.48,-2901.14 3654.33,-2915.29 3654.33,-3131.14 3674.33,-3151.14 D14.15@3717.75,-3151.14 3808.3,-3151.14 C111.2@3815.58,-3158.42 3826.92,-3147.08 C206.2@3905.58,-3147.08
+3.3V-TF: C56.2 C115.2 C116.2 C208.2 D15.10 D15.15 R102.2 | length 1264
  Bottom w15: D15.10@4516.32,-2573.45 4543.69,-2573.45 4574.44,-2542.7 4574.44,-2506.7 4592.69,-2488.45 4593.72,-2488.45 C116.2@4593.72,-2450.7
  Bottom w20: D15.10@4516.32,-2573.45 4473.68,-2573.45 4450.44,-2596.69 4450.44,-2808.7 4465.19,-2823.45 4516.32,-2823.45 4581.88,-2823.45 C115.2@4609.16,-2850.73 4672.31,-2850.73 C208.2@4698.38,-2876.79 4698.37,-2840.39 4737.34,-2801.42 4832.33,-2801.42 4936.33,-2697.42 4936.33,-2574.42 4908.04,-2546.13 R102.2@4875.75,-2546.13
+3.3V-TY: C58.2 C127.2 C128.2 C212.2 D16.10 D16.15 R104.2 | length 995.3
  Top w20: C58.2@3855.59,-3168.42 C128.2@3808.02,-3168.42 3787.07,-3168.42 3769.79,-3151.14 D16.10@3717.75,-3151.14 3675.05,-3151.14 3652.33,-3128.42 3652.33,-2916.42 3667.61,-2901.14 D16.15@3717.75,-2901.14 3758.73,-2901.14 3777.76,-2882.11 3777.76,-2846.11 3800.02,-2823.85 C127.2@3810.59,-2823.86 3866.91,-2823.85 3914.01,-2776.75 C212.2@3914.02,-2757.83 3930.33,-2774.15 3930.33,-2789.16 4025.06,-2883.89 R104.2@4025.07,-2915.74
+5V: C118.2 C120.2 C122.2 C167.2 C169.2 C217.2 C218.2 C219.2 C220.2 C289.2 D6.3 D10.B3 D10.B4 D10.C6 D10.E3 D10.E4 D10.H3 D10.H4 D10.L3 D10.L4 L3.2 R12.2 | length 2862.9
  Top w15: v1(85.58,-2566.14) D10.L4@110.58,-2591.14 ; v1(85.58,-2516.14) D10.L3@110.58,-2541.14 ; v1(235.58,-2566.14) D10.H4@260.58,-2591.14 ; v1(235.58,-2516.14) D10.H3@260.58,-2541.14 ; D10.E4@410.58,-2591.14 v1(435.58,-2566.14) ; D10.E3@410.58,-2541.14 v1(435.58,-2516.14) ; D10.C6@510.58,-2691.14 v1(535.58,-2716.14) ; D10.B4@560.58,-2591.14 v1(585.58,-2566.14) ; D10.B3@560.58,-2541.14 v1(585.58,-2516.14)
  Top w20: v1(-370.67,-1734.42) -370.67,-1715.67 L3.2@-326,-1671
  sig_08 w20: v1(-370.67,-1734.42) v1(-370.67,-1775.42) -370.67,-1812.33 -352,-1831 -352,-2717 -236.58,-2832.42 577.58,-2832.42 694.58,-2715.42 v1(694.58,-2626.74)
  Bottom w12: v1(85.58,-2566.14) 70.77,-2566.14 46.18,-2541.55 71.59,-2516.14 v1(85.58,-2516.14)
  Bottom w15: v1(85.58,-2566.14) C167.2@110.58,-2591.13 ; v1(235.58,-2566.14) C120.2@260.58,-2591.13 ; C122.2@410.58,-2591.13 v1(435.58,-2566.14) ; C169.2@560.58,-2591.13 v1(585.58,-2566.14)
  other v1: 664.58,-2626.74 724.58,-2626.74 664.58,-2596.74 694.58,-2596.74 724.58,-2596.74 664.58,-2566.74 694.58,-2566.74 724.58,-2566.74 664.58,-2536.74 694.58,-2536.74 724.58,-2536.74 1055.58,-2094.84 1085.58,-2094.84 1115.58,-2094.84 1055.58,-2064.84 1085.58,-2064.84 1115.58,-2064.84 1055.58,-2034.84 1085.58,-2034.84 1115.58,-2034.84 1055.58,-2004.84 1085.58,-2004.84 1115.58,-2004.84